# Altium PCB PCB1.PcbDoc (part 2 of 2)
Units mil, origin at the board's own origin, x right, y up, seen from the top; angles counter-clockwise.
Board outline 7710.03 x 3391.11 mil, 4 copper layers (Top Layer, POWER, GND, Bottom Layer), stack 30.634 mil thick; 124 components, 110 nets, 578 pads, 103 vias.
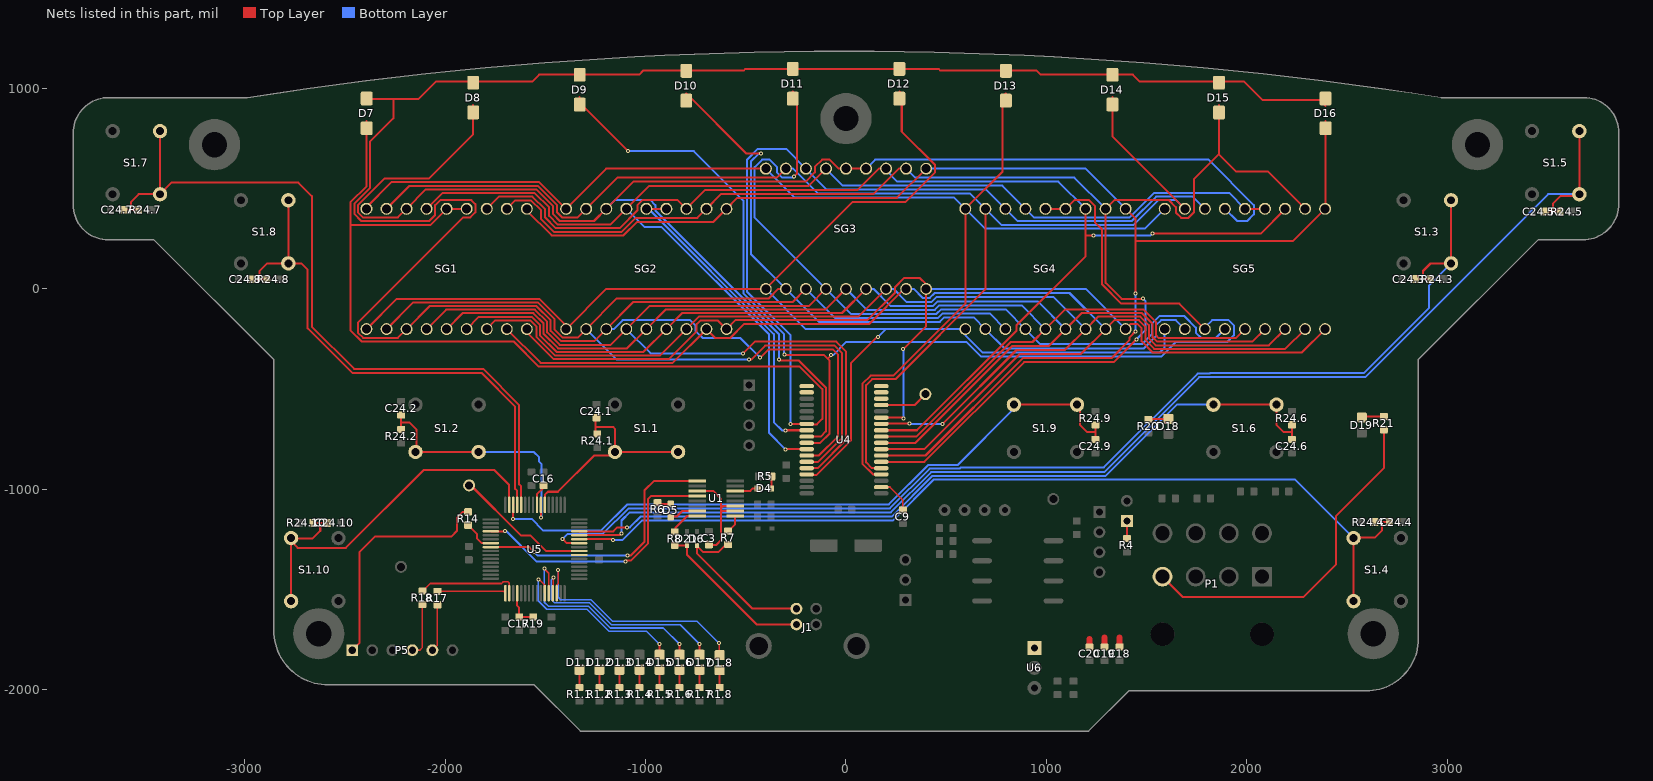
[diagram p4: the nets of this part, all layers, seen from the top]

## Via types
v1: diameter 20, hole 10, Top Layer to Bottom Layer, 103 vias

## Nets (pads, with @x,y where several pads share a name; then routed paths per layer and width w, separated by ;. In a path a pad name is that pad's centre, name@x,y a point inside that pad or via, vN(x,y) a via of type N, cw(c..) or ccw(c..) an arc to the next point about the centre after c; other vN are vias at no path point) (continued)
LED5: D1.5.K U5.27 | length 939
  Top Layer w8: v1(-1535,-1449) -1530.02,-1449 -1504.04,-1474.98 -1504.04,-1516.06 U5.27@-1502.26,-1517.83
  Top Layer w10: D1.5.K@-930,-1824.5 v1(-930,-1772)
  Bottom Layer w8: v1(-1535,-1449) -1535,-1555.49 -1492.49,-1598 -1291.75,-1598 -1182.75,-1707 -995,-1707 v1(-930,-1772)
LED6: D1.6.K U5.28 | length 1114.1
  Top Layer w8: v1(-1505,-1395) -1482.57,-1417.43 U5.28@-1482.57,-1517.83
  Top Layer w10: D1.6.K@-830,-1824.5 v1(-830,-1772)
  Bottom Layer w8: v1(-1505,-1395) -1505,-1562.86 -1485.86,-1582 -1285.12,-1582 -1176.12,-1691 -911,-1691 v1(-830,-1772)
LED7: D1.7.K U5.29 | length 1078.7
  Top Layer w8: U5.29@-1462.89,-1517.83 -1461.11,-1516.06 -1461.11,-1443.11 v1(-1458,-1440)
  Top Layer w10: D1.7.K@-730,-1824.5 v1(-730,-1772)
  Bottom Layer w8: v1(-1458,-1440) -1470,-1452 -1470,-1549 -1453,-1566 -1278.49,-1566 -1169.49,-1675 -827,-1675 v1(-730,-1772)
LED8: D1.8.K U5.30 | length 1215.4
  Top Layer w8: U5.30@-1443.2,-1517.83 -1441.43,-1516.06 -1441.43,-1474.98 -1436,-1469.56 v1(-1436,-1401) ; v1(-633,-1767) -633,-1823.5 D1.8.K@-630,-1826.5
  Bottom Layer w8: v1(-1436,-1401) -1436,-1538 -1424,-1550 -1271.86,-1550 -1164.86,-1657 -743,-1657 v1(-633,-1767)
MCLR: P5.1 R14.2 | length 1168
  Top Layer w10: P5.1@-2463,-1802 -2426,-1765 -2426,-1311 -2350,-1235 -2020,-1235 -1970,-1235 -1940,-1205 -1940,-1140 -1911.54,-1111.54 R14.2@-1885,-1111.54
NetC3_1: C3.1 U1.3 U1.10 U1.11 | length 561.3
  Top Layer w10: U1.3@-741.95,-1007.5 -662.5,-1007.5 -624,-1046 -624,-1095 ; C3.1@-683.95,-1275.96 -645.96,-1275.96 -624,-1254 -624,-1115 ; U1.10@-552.98,-1107.5 -616.5,-1107.5 -624,-1115 ; U1.11@-552.98,-1082.5 -611.5,-1082.5 -624,-1095 ; -624,-1115 -624,-1095
NetC16_2: C16.2 U5.56 | length 110
  Top Layer w10: U5.56@-1541.63,-1076.89 -1541.63,-1024.63 -1508.01,-991.01 C16.2@-1508.01,-980.83
NetC17_2: C17.2 R19.1 U5.20 | length 192.9
  Top Layer w10: U5.20@-1640.06,-1517.83 -1640.06,-1579.94 -1630,-1590 C17.2@-1630,-1636.54 R19.1@-1560,-1636.54
NetD1.1_A: D1.1.A R1.1.1 | length 89
  Top Layer w10: R1.1.1@-1330,-1988.54 D1.1.A@-1330,-1899.5
NetD1.2_A: D1.2.A R1.2.1 | length 89
  Top Layer w10: R1.2.1@-1230,-1988.54 D1.2.A@-1230,-1899.5
NetD1.3_A: D1.3.A R1.3.1 | length 89
  Top Layer w10: R1.3.1@-1130,-1988.54 D1.3.A@-1130,-1899.5
NetD1.4_A: D1.4.A R1.4.1 | length 89
  Top Layer w10: R1.4.1@-1030,-1988.54 D1.4.A@-1030,-1899.5
NetD1.5_A: D1.5.A R1.5.1 | length 89
  Top Layer w10: R1.5.1@-930,-1988.54 D1.5.A@-930,-1899.5
NetD1.6_A: D1.6.A R1.6.1 | length 89
  Top Layer w10: R1.6.1@-830,-1988.54 D1.6.A@-830,-1899.5
NetD1.7_A: D1.7.A R1.7.1 | length 89
  Top Layer w10: R1.7.1@-730,-1988.54 D1.7.A@-730,-1899.5
NetD1.8_A: D1.8.A R1.8.1 | length 87
  Top Layer w10: R1.8.1@-630,-1988.54 D1.8.A@-630,-1901.5
NetD4_A: D4.A R5.1 | length 61.4
  Top Layer w10: D4.A@-374,-995 -370.54,-991.54 R5.1@-370.54,-935
NetD4_K: D4.K U1.14 | length 117.2
  Top Layer w10: U1.14@-552.98,-1007.5 -477.5,-1007.5 -465,-995 D4.K@-440.93,-995
NetD5_A: D5.A R6.1 | length 68.1
  Top Layer w10: R6.1@-940,-1066.54 -935,-1071.54 D5.A@-874,-1071.54
NetD5_K: D5.K U1.7 | length 144.9
  Top Layer w10: D5.K@-874,-1138.46 -870.54,-1135 -844,-1135 -816.5,-1107.5 U1.7@-741.95,-1107.5
NetD18_A: D18.A R20.1 | length 101.7
  Top Layer w10: R20.1@1508,-651.54 1512.04,-647.5 D18.A@1608,-647.5
NetD19_A: D19.A R21.1 | length 112.5
  Top Layer w10: D19.A@2573,-641.5 2578.96,-635.54 R21.1@2683,-635.54
NetJP1_1: JP1.1 R4.1 | length 88.5
  Top Layer w10: R4.1@1401,-1245.54 JP1.1@1401,-1157
NetR7_1: R7.1 U1.9 | length 90
  Top Layer w10: R7.1@-587.95,-1208.04 -552.98,-1173.06 U1.9@-552.98,-1132.5
NetR8_1: R8.1 U1.8 | length 156.5
  Top Layer w10: R8.1@-850.54,-1215 -850.54,-1191.54 -791.5,-1132.5 U1.8@-741.95,-1132.5
NetR14_1: R14.1 U5.7 | length 163.2
  Top Layer w10: R14.1@-1885,-1178.46 -1840,-1223.46 -1840,-1244.63 -1840.37,-1245 -1817.54,-1267.83 U5.7@-1771.94,-1267.83
NetR17_2: R17.2 U5.17 | length 342.7
  Top Layer w8: R17.2@-2038,-1508.54 -1708.41,-1508.54 U5.17@-1699.11,-1517.83
NetR18_2: R18.2 U5.18 | length 505.8
  Top Layer w8: R18.2@-2113,-1507.54 -2074.46,-1469 -1718,-1469 -1710,-1461 -1686,-1461 -1679.43,-1467.57 U5.18@-1679.43,-1517.83
NetTP4_1: TP4.1 U5.40 | length 682
  Top Layer w10: TP4.1@-1875.5,-975.5 -1621,-1230 -1573,-1230 -1495.48,-1307.52 U5.40@-1331,-1307.52
O0: D7.A SG1.13 SG1.14 SG3.16 SG4.16 SG5.16 U4.7 | length 8426.2
  Top Layer w10: -2391.73,838.48 -2391.73,512.27 -2472,432 -2472,319 ; SG1.13@-1892,400 SG1.14@-1992,400 -2072,320 -2471,320 -2472,319 ; v1(-276,-674) -275.26,-673.26 U4.7@-196.02,-673.26 -194.28,-675 -145,-675 -118,-648 -118,-500 -231,-387 -1533.28,-387 -1658.28,-262 -2415.6,-262 -2472,-205.6 -2472,319
  Bottom Layer w10: v1(-276,-674) -276,-231 -494,-13 -494,645.28 -440.78,698.5 -298.5,698.5 SG3.16@-200,600 -95.47,495.47 699.53,495.47 SG4.16@795,400 857,338 1424.26,338 1547.26,461 1729,461 SG5.16@1790,400
O1: SG2.13 SG2.14 U4.8 | length 1640.7
  Top Layer w10: SG2.14@-996,400 SG2.13@-896,400 ; v1(-301,-706) -299.76,-704.76 U4.8@-196.02,-704.76
  Bottom Layer w10: SG2.14@-996,400 -985.1,400 -360,-225.1 -360,-664 -318,-706 v1(-301,-706) ; SG2.13@-896,375 SG2.13@-896,400
O2: D8.A SG1.16 SG2.16 SG3.13 SG3.14 SG5.15 U4.9 | length 7954.2
  Top Layer w10: -1860.24,917.22 -1860.24,771.76 -2081.47,550.53 -2302.28,550.53 -2435,417.81 -2435,382.19 -2409.81,357 -2235,357 SG1.16@-2192,400 -2095.47,496.53 -1545.44,496.53 -1461,412.09 -1461,373.08 -1426.92,339 -1257,339 SG2.16@-1196,400 -1061,535 -201.36,535 -155,581.36 -155,608.64 -118.64,645 -81.36,645 -36.36,600 SG3.14@0,600 SG3.13@100,600 ; v1(-335,-352) -335,-355.72 -333.72,-357 -234.46,-357 -100,-491.46 -100,-710.58 -125.67,-736.25 U4.9@-196.02,-736.25
  Bottom Layer w10: SG2.16@-1196,400 -1151,445 -977.36,445 -951,418.64 -951,391.36 -335,-224.64 v1(-335,-352) ; SG3.13@100,600 145,645 1808.64,645 2035,418.64 2035,372 2002,339 1951,339 SG5.15@1890,400
O3: D9.A SG4.13 SG4.14 SG5.3 U4.10 | length 6287.2
  Top Layer w10: -1328.74,956.59 -1328.74,929.74 v1(-1087,688) ; v1(-308,-328) -307.28,-328.72 -110.72,-328.72 -92,-347.43 ; U4.10@-196.02,-767.75 -128.88,-767.75 -82,-720.86 -82,-357.43 -92,-347.43 ; v1@-74.28,-329.72 -92,-347.43 ; SG4.14@995,400 SG4.13@1095,400 1140,445 1142,443 1212.81,443 1243,412.81 1243,331 1277,297 1277,23.54 1373.54,-73 1663,-73 SG5.3@1790,-200
  Bottom Layer w10: v1(-1087,688) -759,688 -512,441 -512,-22 -309,-225 v1@-309,-328 ; v1(-74,-330) -64,-330 2,-264 600.72,-264 674.72,-338 1572.28,-338 1645.76,-264.53 1901.47,-264.53 1934.53,-231.47 1934.53,-181.56 1908.44,-155.47 1826.53,-155.47 1790,-192 SG5.3@1790,-200
O4: SG1.15 SG2.15 SG3.15 SG4.15 SG5.13 SG5.14 U4.11 | length 6294.3
  Top Layer w10: SG1.15@-2092,400 -2092,400.46 -2013.93,478.53 -1552.89,478.53 -1481,406.63 -1481,364.79 -1437.21,321 -1175,321 SG2.15@-1096,400 -982,514 -186,514 SG3.15@-100,600 ; v1(-302,-800) -301.24,-799.24 U4.11@-196.02,-799.24 ; SG5.14@1990,400 SG5.13@2090,400
  Bottom Layer w10: SG2.15@-1096,400 -1006,310 -920.55,310 -384,-226.55 -384,-718 v1(-302,-800) ; SG3.15@-104,597 SG3.15@-101,600 ; SG3.15@-100,600 -15.47,515.47 779.53,515.47 SG4.15@895,400 939,356 1413.97,356 1536.97,479 1911,479 SG5.14@1990,400
O5: D7.K D8.K D9.K D10.K D11.K D12.K D13.K D14.K D15.K D16.K SG1.3 SG2.3 SG3.3 SG4.3 U4.12 | length 12695.8
  Top Layer w10: D7.K@-2391.73,947 -2258,947 ; v1(-428,-343) -386,-301 -67,-301 -39,-329 -39,-734.43 -135.31,-830.74 U4.12@-196.02,-830.74 ; SG3.3@-200,0 -265,-65 -1061,-65 SG2.3@-1196,-200 -1256.53,-260.53 -1421.07,-260.53 -1473,-208.6 -1473,-157.03 -1545.03,-85 -2077,-85 SG1.3@-2192,-200 -2236,-244 -2408.14,-244 -2434.53,-217.62 -2434.53,-167.53 -1910,357 -1874.19,357 -1849,382.19 -1849,422.68 -1869.32,443 -2024,443 -2049,418 -2049,369 -2079,339 -2417.27,339 -2453,374.73 -2453,425.54 -2373.73,504.81 -2373.73,735.81 -2258,851.54 -2258,947 ; 2391.73,913.48 2362.22,943 2077,943 1986,1034 1466,1034 1431,1069 971,1069 950,1090 470,1090 463,1097 -503,1097 -510,1090 -1010,1090 -1031,1069 -1531,1069 -1566,1034 -2046,1034 -2133,947 -2258,947
  Bottom Layer w10: SG2.3@-1196,-200 -1158.97,-200 -1114.44,-155.47 -777.56,-155.47 -751.47,-181.56 -751.47,-207.5 -714.44,-244.53 -526.47,-244.53 v1(-428,-343) ; SG3.3@-200,0 -55.47,-144.53 459.86,-144.53 482.39,-122 717,-122 SG4.3@795,-200
O6: D10.A SG1.2 SG2.2 SG3.2 SG4.2 SG5.2 U4.13 | length 7796.8
  Top Layer w10: SG1.2@-2292,-200 -2159,-67 -1537.58,-67 -1455,-149.58 -1455,-201.14 -1413.62,-242.53 -1338.53,-242.53 SG2.2@-1296,-200 -1143,-47 -384.03,-47 -337.03,0 SG3.2@-300,0 ; -797.24,976.28 -496.46,675.5 v1(-424.5,675.5) ; v1(-483,-352) -472.36,-352 -403.36,-283 -56.72,-283 -19,-320.72 -19,-742.72 -138.52,-862.24 U4.13@-196.02,-862.24
  Bottom Layer w10: SG2.2@-1296,-200 -1144,-352 v1(-483,-352) ; v1(-424.5,675.5) -435.5,675.5 -474,637 -474,174 SG3.2@-300,0 -135.47,-164.53 468.15,-164.53 490.68,-142 637,-142 SG4.2@695,-200 793,-298 1484,-298 1545.47,-236.53 1545.47,-181.56 1571.56,-155.47 1645.47,-155.47 SG5.2@1690,-200
O7: D11.A SG1.4 SG2.4 SG3.4 SG4.4 SG5.4 U4.14 | length 7890.3
  Top Layer w10: SG1.4@-2092,-200 -1995,-103 -1552.49,-103 -1491,-164.49 -1491,-216.05 -1428.53,-278.53 -1174.53,-278.53 SG2.4@-1096,-200 -980,-84 -184,-84 SG3.4@-100,0 ; v1(-513,-321) -455,-263 -48.43,-263 1,-312.43 1,-751 -141.73,-893.73 U4.14@-196.02,-893.73 ; -265.75,986.12 -245,965.37 -245,574 -259,560 v1(-260,560)
  Bottom Layer w10: SG2.4@-1096,-200 -975,-321 v1(-513,-321) ; v1(-260,560) -265,555 -318.64,555 -345,581.36 -345,608.64 -381.36,645 -418.64,645 -456,607.64 -456,356 SG3.4@-100,0 24.53,-124.53 451.58,-124.53 474.11,-102 797,-102 SG4.4@895,-200 970,-275 1476.47,-275 1525.47,-226 1525.47,-173.27 1563.27,-135.47 1688.44,-135.47 1745.47,-192.5 1745.47,-218.44 1771.56,-244.53 1845.47,-244.53 SG5.4@1890,-200
O8: D12.A SG1.1 SG2.1 SG3.1 SG4.1 SG5.1 U4.15 | length 6943.1
  Top Layer w10: SG1.1@-2392,-200 -2241,-49 -1530.12,-49 -1396,-183.12 SG2.1@-1396,-200 -1196,0 SG3.1@-400,0 34,434 296.97,434 444.53,581.56 444.53,618.44 278.09,784.88 278.09,973.78 265.75,986.12 ; U4.15@-196.02,-925.23 -196.02,-926.98 -146.69,-926.98 24,-756.28 24,-370 155,-239 v1(160,-239) v1@160,-236
  Bottom Layer w10: SG3.1@-400,0 -200,-200 199,-200 ; v1(160,-239) 199,-200 ; SG5.1@1590,-200 1590,-292 1564,-318 683,-318 595,-230 SG4.1@595,-200 199,-200
O9: D13.A SG1.18 SG2.18 SG3.18 SG4.18 SG5.18 U4.22 | length 6677.1
  Top Layer w10: SG1.18@-2392,400 -2392,408 -2267.47,532.53 -1530.53,532.53 -1408.15,410.15 -1408.15,400 SG2.18@-1396,400 -1196,600 SG3.18@-400,600 ; U4.22@176.02,-925.23 134.77,-925.23 82,-872.46 82,-472.54 122.54,-432 236.72,-432 595,-73.72 SG4.18@595,400 781,586 781,960.04 797.24,976.28
  Bottom Layer w10: SG3.18@-400,600 -255.47,455.47 539.53,455.47 SG4.18@595,400 693,302 1492,302 SG5.18@1590,400
O10: D14.A SG1.17 SG2.17 SG3.17 SG4.17 SG5.17 U4.23 | length 6775.4
  Top Layer w10: SG1.17@-2292,400 -2177.47,514.53 -1537.98,514.53 -1441,417.54 -1441,381.36 -1416.64,357 -1339,357 SG2.17@-1296,400 -1141,555 -345,555 SG3.17@-300,600 ; U4.23@176.02,-893.73 128.73,-893.73 100,-865 100,-480 130,-450 247,-450 695,-2 SG4.17@695,400 ; 1328.74,956.59 1328.74,761.26 SG5.17@1690,400
  Bottom Layer w10: SG3.17@-300,600 -263.64,600 -139.11,475.47 619.53,475.47 SG4.17@695,400 775,320 1434.54,320 1557.54,443 1647,443 SG5.17@1690,400
O11: D15.A SG1.11 SG2.11 SG3.11 SG4.11 SG5.11 U4.24 | length 7339.7
  Top Layer w10: SG1.11@-1692,400 -1649.47,442.53 -1571.56,442.53 -1521,391.97 -1521,348.22 -1457.78,285 -1119.08,285 -1049.08,355 -741,355 SG2.11@-696,400 -622,474 137.64,474 263.64,600 SG3.11@300,600 ; U4.24@176.02,-862.24 390.5,-862.24 888.21,-364.53 1335.47,-364.53 v1(1448,-252) ; 1376.56,444.53 1413.44,444.53 ; v1@1482,-49 1375,-49 1295,31 SG4.11@1295,400 1340,445 1608.64,445 1645,408.64 1645,381.36 1671.36,355 1708.64,355 1735,381.36 1735,546.5 1860.24,671.74 ; 1860.24,917.22 1860.24,671.74 ; SG5.11@2290,400 2103,587 1944.97,587 1860.24,671.74
  Bottom Layer w10: SG3.11@300,600 344.53,555.47 1139.53,555.47 SG4.11@1295,400 ; v1(1448,-252) 1493,-207 1493,-59 v1(1482,-48)
O12: D16.A SG1.10 SG2.10 SG3.10 SG4.10 SG5.10 U4.25 | length 6884.1
  Top Layer w10: SG1.10@-1592,400 -1592,390.94 -1468.06,267 -1110,267 -1042,335 -661,335 SG2.10@-596,400 -542,454 254,454 SG3.10@400,600 ; U4.25@176.02,-830.74 396.54,-830.74 882.75,-344.53 1324.47,-344.53 1415,-254 1415,-241 v1(1444,-212) ; SG4.10@1395,400 1445,350 v1(1445,-22) ; 1445,239 2229,239 SG5.10@2390,400 2391.73,401.73 2391.73,838.48
  Bottom Layer w10: SG3.10@400,600 1195,600 SG4.10@1395,400 ; v1(1444,-212) 1444,-23 v1(1445,-22)
O13: SG1.8 SG2.8 SG3.8 SG4.8 SG5.8 U4.26 | length 5869.2
  Top Layer w10: SG1.8@-1692,-200 -1523,-369 -865,-369 SG2.8@-696,-200 -651.47,-244.53 -577.56,-244.53 -507.03,-174 117.26,-174 291.26,0 SG3.8@300,0 ; U4.26@176.02,-799.24 391.11,-799.24 865.83,-324.53 1170.47,-324.53 SG4.8@1295,-200 1339,-156 1460.63,-156 1493,-188.37 1493,-254.37 1537.63,-299 2191,-299 SG5.8@2290,-200
  Bottom Layer w10: SG3.8@300,0 337.03,0 381.56,-44.53 418.44,-44.53 442.97,-20 1115,-20 SG4.8@1295,-200
O14: SG1.6 SG2.6 SG3.6 SG4.6 SG5.6 U4.27 | length 5653.2
  Top Layer w10: SG1.6@-1892,-200 -1831,-139 -1567.4,-139 -1527,-179.4 -1527,-230.97 -1443.44,-314.53 -1010.53,-314.53 SG2.6@-896,-200 -816,-120 -20,-120 SG3.6@100,0 ; U4.27@176.02,-767.75 346.79,-767.75 830.01,-284.53 1010.47,-284.53 SG4.6@1095,-200 1175,-120 1475.54,-120 1529,-173.46 1529,-239.46 1552.54,-263 2027,-263 SG5.6@2090,-200
  Bottom Layer w10: SG3.6@100,0 137.03,0 221.56,-84.53 435.01,-84.53 457.54,-62 957,-62 SG4.6@1095,-200
O15: SG1.5 SG2.5 SG3.5 SG4.5 SG5.5 U4.28 | length 5540.2
  Top Layer w10: SG1.5@-1992,-200 -1913,-121 -1559.95,-121 -1509,-171.95 -1509,-223.51 -1435.98,-296.53 -1092.53,-296.53 SG2.5@-996,-200 -898,-102 -102,-102 SG3.5@0,0 ; U4.28@176.02,-736.25 350,-736.25 821.73,-264.53 930.47,-264.53 SG4.5@995,-200 1093,-102 1483,-102 1547,-166 1547,-232 1560,-245 1945,-245 SG5.5@1990,-200
  Bottom Layer w10: SG3.5@0,0 104.53,-104.53 443.3,-104.53 465.82,-82 877,-82 SG4.5@995,-200
O16: SG1.12 SG2.12 SG3.12 SG4.12 SG5.12 U4.29 | length 6048
  Top Layer w10: SG1.12@-1792,400 -1731.47,460.53 -1564.1,460.53 -1501,397.43 -1501,356.51 -1447.49,303 -1129.36,303 -1041,391.36 -1041,418.64 -1014.64,445 -841,445 SG2.12@-796,400 -702,494 57.64,494 163.64,600 SG3.12@200,600 ; U4.29@176.02,-704.76 353.22,-704.76 850.47,-207.5 850.47,-181.56 1195,162.97 1195,268 ; SG4.12@1195,400 1195,268 ; v1(1234,267) 1196,267 1195,268 ; v1(1529,276) 2069,276 2190,397 SG5.12@2190,400
  Bottom Layer w10: SG3.12@200,600 200,592 256.53,535.47 1059.53,535.47 SG4.12@1195,400 ; v1(1234,267) 1520,267 v1(1529,276)
O17: SG1.7 SG2.7 SG3.7 SG4.7 SG5.7 U4.30 | length 5735.6
  Top Layer w10: SG1.7@-1778,-186 SG1.7@-1792,-200 -1749,-157 -1574.86,-157 -1545,-186.86 -1545,-238.42 -1450.89,-332.53 -928.53,-332.53 SG2.7@-796,-200 -734,-138 62,-138 SG3.7@200,0 ; U4.30@176.02,-673.26 177.28,-672 v1(316,-672) ; v1(482,-673) 850.47,-304.53 1090.47,-304.53 SG4.7@1195,-200 1257,-138 1468.09,-138 1511,-180.91 1511,-246.91 1545.09,-281 2109,-281 SG5.7@2190,-200
  Bottom Layer w10: SG3.7@200,0 237.03,0 301.56,-64.53 426.73,-64.53 450.26,-41 1036,-41 SG4.7@1195,-200 ; v1(316,-672) 317,-673 v1(482,-673)
O18: SG1.9 SG2.9 SG3.9 SG4.9 SG5.9 U4.31 | length 5376.1
  Top Layer w10: SG1.9@-1592,-200 -1592,-216.88 -1458.35,-350.53 -883.56,-350.53 -745,-211.97 -745,-176 -726.47,-157.47 -638.53,-157.47 SG2.9@-596,-200 -552,-156 106.97,-156 244.53,-18.44 244.53,9.53 289,54 369,54 400,23 SG3.9@400,0 400,-185 v1(285,-300) ; U4.31@176.02,-641.76 283.76,-641.76 v1(287,-645) ; SG4.9@1395,-200 1421,-174 1453.18,-174 1475,-195.82 1475,-261.82 1530.18,-317 2273,-317 SG5.9@2390,-200
  Bottom Layer w10: v1(285,-300) 287,-302 v1(287,-645) ; SG3.9@400,0 1195,0 SG4.9@1395,-200
OSC: U5.39
OSC_LD: C9.2 U4.20 | length 183.8
  Top Layer w8: 218.31,-988.22 284,-1053.91 C9.2@284,-1102.54
  Top Layer w10: U4.20@176.02,-988.22 218.31,-988.22
OSC_OUT: TP5.1 U4.33 | length 242.2
  Top Layer w10: U4.33@176.02,-578.77 342.23,-578.77 TP5.1@396,-525
OUT3: C24.1.2 R24.1.2 S1.1.1 U5.54 | length 1104.9
  Top Layer w10: U5.54@-1502.26,-1076.89 -1502.26,-1027.26 -1486.54,-1011.54 -1437.54,-1011.54 -1257,-831 -1170.37,-831 S1.1.1@-1152.48,-813.11 ; C24.1.2@-1250,-642.46 -1250,-688 ; R24.1.2@-1241,-723.54 -1250,-714.54 -1250,-688 ; S1.1.1@-837.52,-813.11 S1.1.1@-1152.48,-813.11 ; -1250,-688 -1161.96,-688 -1152.48,-697.48 S1.1.1@-1152.48,-813.11
OUT4: C24.2.2 R24.2.2 S1.2.1 U5.55 | length 1269.5
  Top Layer w10: R24.2.2@-2219,-701.54 C24.2.2@-2219,-628.46 ; -2219,-665 -2179,-665 -2141.48,-702.52 S1.2.1@-2141.48,-808.11 ; S1.2.1@-2147.48,-813.11 S1.2.1@-1832.52,-813.11 ; v1(-1522,-1140) -1521.94,-1139.94 U5.55@-1521.94,-1076.89
  Bottom Layer w10: S1.2.1@-1832.52,-813.11 -1557.89,-813.11 -1531.01,-839.99 -1531.01,-861.53 -1518.01,-874.53 -1518.01,-1136.01 v1(-1522,-1140)
OUT5: C24.3.2 R24.3.2 S1.3.1 U5.42 | length 5746.5
  Top Layer w10: v1(-1414,-1247) -1393.48,-1267.52 U5.42@-1331,-1267.52 ; C24.3.2@2841.57,49.52 2878.11,49.52 ; R24.3.2@2914.65,49.52 2878.11,49.52 ; S1.3.1@3018.11,442.48 3018.11,130.15 3021.22,127.04 2915.63,127.04 2878.11,89.52 2878.11,49.52
  Bottom Layer w10: v1(-1414,-1247) -1389,-1222 -1212.46,-1222 -1084.46,-1094 218.72,-1094 416.72,-896 566.72,-896 572.72,-890 1286.09,-890 1754.09,-422 1813.72,-422 1815.72,-420 2581.72,-420 2909,-92.72 2909,18.41 S1.3.1@3018.11,127.52
OUT6: C24.4.2 R24.4.2 S1.4.1 U5.43 | length 4690.6
  Top Layer w10: U5.43@-1322.24,-1248 -1167,-1248 v1(-1162,-1253) ; S1.4.1@2531.78,-1240.04 2637.37,-1240.04 2674.89,-1202.52 2674.89,-1162.52 ; S1.4.1@2531.89,-1557.48 S1.4.1@2531.89,-1242.52 ; R24.4.2@2638.35,-1162.52 C24.4.2@2711.43,-1162.52
  Bottom Layer w10: v1@-1162,-1252 v1(-1162,-1253) -1116,-1253 -1017,-1154 235.09,-1154 439.09,-950 2239.37,-950 S1.4.1@2531.89,-1242.52
OUT7: C24.5.2 R24.5.2 S1.5.1 U5.44 | length 6317.9
  Top Layer w10: U5.44@-1331,-1228.46 -1330.54,-1228 -1129,-1228 v1(-1120,-1219) ; C24.5.2@3489.35,385.52 3525.89,385.52 ; R24.5.2@3562.43,385.52 3525.89,385.52 ; S1.5.1@3658.11,472.52 S1.5.1@3658.11,787.48 ; S1.5.1@3669,463.04 3563.41,463.04 3525.89,425.52 3525.89,385.52
  Bottom Layer w10: v1(-1120,-1219) -1120,-1155 -1079,-1114 224.18,-1114 424.18,-914 1287.54,-914 1761.54,-440 2590,-440 3502.52,472.52 S1.5.1@3658.11,472.52
OUT8: C24.6.2 R24.6.2 S1.6.1 U5.45 | length 4006
  Top Layer w10: U5.45@-1331,-1208.78 -1160,-1208.78 -1140.61,-1189.39 v1(-1093,-1189.39) ; S1.6.1@1832.52,-576.89 S1.6.1@2147,-576.89 ; S1.6.1@2147.48,-576.89 S1.6.1@2147,-576.89 ; C24.6.2@2224.52,-750.65 R24.6.2@2224.52,-677.57 ; 2224.52,-714.11 2184.52,-714.11 2147,-676.59 S1.6.1@2147,-576.89
  Bottom Layer w10: v1(-1093,-1189.39) -1077.85,-1189.39 -1022.46,-1134 229.63,-1134 431.63,-932 1295,-932 1650.11,-576.89 S1.6.1@1832.52,-576.89
OUT9: C24.7.2 R24.7.2 S1.7.1 U5.60 | length 3745
  Top Layer w10: C24.7.2@-3602.54,395 R24.7.2@-3529.46,395 ; -3566,395 -3566,435 -3528.48,472.52 -3422.89,472.52 S1.7.1@-3421.89,473.52 ; S1.7.1@-3421.89,787.48 S1.7.1@-3421.89,473.52 ; U5.60@-1620.37,-1076.89 -1620.37,-984.63 -1630,-975 -1630,-579 -1810,-399 -2454,-399 -2665,-188 -2665,463 -2732,530 -3365.41,530 S1.7.1@-3421.89,473.52
OUT10: C24.8.2 R24.8.2 S1.8.1 U5.61 | length 2681.6
  Top Layer w10: C24.8.2@-2962.65,48.48 R24.8.2@-2889.57,48.48 ; -2926.11,48.48 -2926.11,88.48 -2888.59,126 -2783,126 -2781.89,127.11 S1.8.1@-2781.89,127.52 ; S1.8.1@-2781.89,442.48 S1.8.1@-2781.89,127.52 ; U5.61@-1640.06,-1076.89 -1640.06,-1006.94 -1650.28,-996.72 -1650.28,-587 -1818.28,-419 -2462.28,-419 -2685,-196.28 -2685,96 -2716.52,127.52 S1.8.1@-2781.89,127.52
OUT11: C24.9.2 R24.9.2 S1.9.1 U5.62 | length 3449.5
  Top Layer w10: v1(-1660,-1147) -1660,-1077.15 U5.62@-1659.74,-1076.89 ; S1.9.1@837.52,-576.89 S1.9.1@1152.48,-576.89 ; S1.9.1@1166.48,-571.43 1166.48,-677.02 1204,-714.54 1244,-714.54 ; C24.9.2@1244,-751.07 R24.9.2@1244,-678
  Bottom Layer w10: v1(-1660,-1147) -1568.64,-1147 -1511.64,-1204 -1219.91,-1204 -1089.91,-1074 213.27,-1074 409.27,-878 556.43,-878 837.52,-596.91 S1.9.1@837.52,-576.89
OUT12: C24.10.2 R24.10.2 S1.10.1 U5.63 | length 1982.5
  Top Layer w10: S1.10.1@-2768.11,-1557.48 S1.10.1@-2768.11,-1258.89 ; S1.10.1@-2768.11,-1242.52 S1.10.1@-2768.11,-1246.58 ; R24.10.2@-2659.16,-1166.69 -2622.62,-1166.69 ; C24.10.2@-2586.09,-1166.69 -2622.62,-1166.69 ; U5.63@-1680,-1076.89 -1680,-978 -1755,-903 -2106,-903 -2494.43,-1291.43 -2735.57,-1291.43 S1.10.1@-2768.11,-1258.89 ; S1.10.1@-2768.11,-1258.89 S1.10.1@-2768.11,-1246.58 ; S1.10.1@-2768.11,-1246.58 -2765.73,-1244.2 -2660.14,-1244.2 -2622.62,-1206.69 -2622.62,-1166.69
P0: U4.1
P1: U4.2
P2: U4.34
P3: U4.35
P4: U4.36
PGEC: P5.5 R17.1 | length 236.9
  Top Layer w8: P5.5@-2063,-1802 -2038,-1777 R17.1@-2038,-1575.46
PGED: P5.4 R18.1 | length 269.9
  Top Layer w8: P5.4@-2163,-1802 -2126,-1802 -2113,-1789 R18.1@-2113,-1574.46
UART_RXD: U1.4 U5.4 | length 1361.6
  Top Layer w10: U5.4@-1771.94,-1208.78 -1701.78,-1208.78 v1(-1700,-1207) ; v1(-1100,-1360) -1100,-1355.36 -1099.64,-1355 -1074.54,-1355 -987,-1267.46 -987,-1047 -972.5,-1032.5 U1.4@-741.95,-1032.5
  Bottom Layer w10: v1(-1700,-1207) -1696,-1207 -1543,-1360 v1(-1100,-1360)
UART_TXD: U1.1 U5.8 | length 1342.7
  Top Layer w10: U5.8@-1763.35,-1287.52 -1579.48,-1287.52 v1(-1554,-1313) ; v1(-1090,-1330) -1075,-1330 -1005,-1260 -1005,-1005 -957.5,-957.5 U1.1@-741.95,-957.5
  Bottom Layer w10: v1(-1554,-1313) -1537,-1330 v1(-1090,-1330)
USB_D+: D21.K J1.3 R8.2 | length 796.1
  Top Layer w10: R8.2@-854,-1278.46 -852.03,-1280.43 D21.K@-794,-1280.43 -794,-1324.45 -444.71,-1673.74 J1.3@-247.43,-1673.74
USB_D-: D6.K J1.2 R7.2 | length 833.4
  Top Layer w10: R7.2@-587.95,-1274.96 -599.42,-1274.96 -636.95,-1312.5 -711.93,-1312.5 D6.K@-744,-1280.43 -744,-1317.45 -466.45,-1595 J1.2@-247.43,-1595
VBAT: C18.2 C19.2 C20.2 P1.4 R21.2 U6.1 | length 1895.3
  Top Layer w10: 1214,-1744 1215,-1745 ; 1290,-1738 1292,-1736 ; 1365,-1738 1370,-1733 ; P1.4@1578.94,-1435 1680.94,-1537 2281,-1537 2445,-1373 2445,-1132 2683,-894 R21.2@2683,-702.46
  Top Layer w30: C20.2@1215,-1786.54 1215,-1745 ; C19.2@1290,-1786.54 1290,-1738 ; C18.2@1365,-1786.54 1365,-1738
pads on no net: C1.0 C2.0 C3.0 C4.0 C5.0 C6.0 C7.0 C8.0 C9.0 C10.0 C11.0 C12.0 C13.0 C14.0 C16.0 C17.0 C18.0 C19.0 C20.0 C21.0 C22.0 C24.1.0 C24.2.0 C24.3.0 C24.4.0 C24.5.0 C24.6.0 C24.7.0 C24.8.0 C24.9.0 C24.10.0 C25.1.0 C25.2.0 D1.1.0 D1.2.0 D1.3.0 D1.4.0 D1.5.0 D1.6.0 D1.7.0 D1.8.0 D3.0 D4.0 D5.0 D6.0 D7.0 D8.0 D9.0 D10.0 D11.0 D12.0 D13.0 D14.0 D15.0 D16.0 D18.0 D19.0 D21.0 P1. P5.6 R1.1.0 R1.2.0 R1.3.0 R1.4.0 R1.5.0 R1.6.0 R1.7.0 R1.8.0 R2.1.0 R2.2.0 R4.0 R5.0 R6.0 R7.0 R8.0 R9.0 R10.0 R14.0 R17.0 R18.0 R19.0 R20.0 R21.0 R24.1.0 R24.2.0 R24.3.0 R24.4.0 R24.5.0 R24.6.0 R24.7.0 R24.8.0 R24.9.0 R24.10.0 U1.2 U1.6 U1.15 U1.16 U5.15 U5.16 U5.34 U5.64

## Polygon pours and split planes (outlines as drawn)
VBAT on Top Layer "Top Layer-No Net" (solid, remove dead copper, pour order 8): 865,-1820 890,-1845 895,-1850 1005,-1850 1070,-1850 1090,-1830 1170,-1750 1415,-1750 1675,-1490 1675,-1415 1640,-1380 1355,-1380 1135,-1600 1025,-1600 865,-1760
3V3 on POWER (split plane): 266 vertices, not listed, extent -3834.99,-2184.92 3834.99,1166.1
GND on GND (split plane): 266 vertices, not listed, extent -3834.99,-2184.92 3834.99,1166.1

## Keep-outs
Keep-Out Layer:
  lines w15: 2969.67,955.08 ccw(c-8.17,-18121.97) -2986.44,955.02 -3676.48,955.02 ccw(c-3676.48,776.48) -3855.01,776.48 -3855.01,420.23 ccw(c-3679.77,420.23) -3679.77,244.98 -3452.08,244.98 -2855.02,-352.08 -2855.02,-1702.05 ccw(c-2582.05,-1702.05) -2582.05,-1975.01 -1554.99,-1975.01 -1324.99,-2205.02 1209.98,-2205.02 1410,-2005 2155.03,-2005 2595,-2005 ccw(c2595.74,-1745.73) 2855.02,-1746.47 2855.02,-352.08 3452.08,244.98 3675.68,244.98 ccw(c3675.68,424.32) 3855.01,424.32 3855.02,779.96 ccw(c3679.96,779.96) 3679.96,955.01 2969.89,955.02

## Other copper
POWER (plane layer: these items are gaps in the copper):
  pour cut-out: 642,-1043 642,-1053 667,-1078 667,-1128 632,-1163 627,-1158 557,-1158 527,-1128 527,-1068 552,-1043
  pour cut-out: 985,-1940 985,-1950 1010,-1975 1010,-2025 975,-2060 970,-2055 900,-2055 870,-2025 870,-1965 895,-1940

## Silkscreen, mask and mechanical layers (free items; w line width, h text height)
Top Overlay:
  lines w10: -2272,-1330 -2162,-1330 -2162,-1268 -2272,-1268 -2272,-1330 ; -1950,-925 -1810,-925 -1810,-864 -1950,-864 -1950,-925 ; -1081,-1674 -654.25,-1674 -654.25,-1440 -1069,-1440 -1081,-1440 -1081,-1674 ; 300,-465 532,-465 532,-405 300,-405 300,-465 ; 1463,-865 1463,-510 1670,-510 1670,-865 1463,-865 ; 2523,-859 2728,-859 2728,-504 2523,-504 2523,-859
  text "RGB 2015" at 982.45,635 h60
  text "Volant5 v2" at 849,556 h60
  text "24V" at 2543,-584 h60
  text "3V3" at 1488,-595 h60
  text "Debug0" at -1053,-1457 h35 r270
  text "Debug1" at -1003,-1457 h35 r270
  text "Debug2" at -953,-1457 h35 r270
  text "Debug3" at -903,-1457 h35 r270
  text "Debug4" at -853,-1457 h35 r270
  text "CAN" at -803,-1457 h35 r270
  text "ERROR" at -753,-1457 h35 r270
  text "Status" at -703,-1457 h35 r270
Mechanical 1:
  drawing of 527 lines, arcs and shapes, not listed
  text "Layer" at -2168,6170.31 h60
  text "Name" at -1758.09,6170.31 h60
  text "Material" at -828.34,6170.31 h60
  text "Thickness" at 31.42,6170.31 h60
  text "Constant" at 681.26,6170.31 h60
  text "Board Layer Stack" at 1251.12,6170.31 h60
  text "1" at -2168,6050.31 h60
  text "Top Overlay" at -1758.09,6050.31 h60
  text "2" at -2168,5930.31 h60
  text "Top Solder" at -1758.09,5930.31 h60
  text "Solder Resist" at -828.34,5930.31 h60
  text "0,40mil" at 31.42,5930.31 h60
  text "3,5" at 681.26,5930.31 h60
  text "3" at -2168,5810.31 h60
  text "Top Layer" at -1758.09,5810.31 h60
  text "Copper" at -828.34,5810.31 h60
  text "1,40mil" at 31.42,5810.31 h60
  text "4" at -2168,5690.31 h60
  text "Dielectric 1" at -1758.09,5690.31 h60
  text "FR-4" at -828.34,5690.31 h60
  text "10,00mil" at 31.42,5690.31 h60
  text "4,2" at 681.26,5690.31 h60
  text "5" at -2168,5570.31 h60
  text "POWER" at -1758.09,5570.31 h60
  text "Copper" at -828.34,5570.31 h60
  text "1,42mil" at 31.42,5570.31 h60
  text "6" at -2168,5450.31 h60
  text "Dielectric 3" at -1758.09,5450.31 h60
  text "5,00mil" at 31.42,5450.31 h60
  text "4,2" at 681.26,5450.31 h60
  text "7" at -2168,5330.31 h60
  text "GND" at -1758.09,5330.31 h60
  text "Copper" at -828.34,5330.31 h60
  text "1,42mil" at 31.42,5330.31 h60
  text "8" at -2168,5210.31 h60
  text "Dielectric 2" at -1758.09,5210.31 h60
  text "10,00mil" at 31.42,5210.31 h60
  text "4,2" at 681.26,5210.31 h60
  text "9" at -2168,5090.31 h60
  text "Bottom Layer" at -1758.09,5090.31 h60
  text "Copper" at -828.34,5090.31 h60
  text "1,40mil" at 31.42,5090.31 h60
  text "10" at -2168,4970.31 h60
  text "Bottom Solder" at -1758.09,4970.31 h60
  text "Solder Resist" at -828.34,4970.31 h60
  text "0,40mil" at 31.42,4970.31 h60
  text "3,5" at 681.26,4970.31 h60
  text "11" at -2168,4850.31 h60
  text "Bottom Overlay" at -1758.09,4850.31 h60
Drill Drawing:
  lines w47.24: -1879.08,-1975.48 -1879.08,-1975.01 ; -1324.99,-2205.02 1209.98,-2205.02 ; -1309.45,-2204.55 -1308.99,-2205.02 1209.98,-2205.02 ; -3855.01,420.23 ccw(c-3679.77,420.23) -3679.77,244.98 ; -3855.01,420.23 ccw(c-3679.77,420.23) -3679.77,244.98 ; -3855.01,420.23 -3855.01,776.48 ; -3855.01,420.23 -3855.01,776.48 ; -3855.01,776.48 cw(c-3676.48,776.48) -3676.48,955.02 ; -3855.01,776.48 cw(c-3676.48,776.48) -3676.48,955.02 ; -3679.77,244.98 -3452.08,244.98 ; -3679.77,244.98 -3452.08,244.98 ; -3676.48,955.02 -2986.44,955.02 ; -3676.48,955.02 -2986.44,955.02 ; -3452.08,244.98 -2855.02,-352.08 ; -3452.08,244.98 -2855.02,-352.08 ; -2986.44,955.02 cw(c-8.17,-18121.97) 2969.67,955.08 ; -2986.44,955.02 cw(c-8.17,-18121.97) 2969.67,955.08 ; -2855.02,-1702.05 ccw(c-2582.05,-1702.05) -2582.05,-1975.01 ; -2855.02,-1702.05 ccw(c-2582.05,-1702.05) -2582.05,-1975.01 ; -2855.02,-1702.05 -2855.02,-352.08 ; -2855.02,-1702.05 -2855.02,-352.08 ; -2582.05,-1975.01 -1879.08,-1975.01 ; -2582.05,-1975.01 -1879.08,-1975.01 ; 1209.98,-2205.02 1410,-2005 ; 1209.98,-2205.02 1410,-2005 ; 1410,-2005 2595,-2005 ; 1410,-2005 2595,-2005 ; 2595,-2005 ccw(c2595.74,-1745.73) 2855.02,-1746.47 ; 2595,-2005 ccw(c2595.74,-1745.73) 2855.02,-1746.47 ; 2595,-2005 2595,-2005 ; 2595,-2005 2595,-2005 ; 2855.02,-1746.47 2855.02,-352.08 ; 2855.02,-1746.47 2855.02,-352.08 ; 2855.02,-352.08 3452.08,244.98 ; 2855.02,-352.08 3452.08,244.98 ; 2969.67,955.08 2969.89,955.02 ; 2969.67,955.08 2969.89,955.02 ; 2969.89,955.02 3679.96,955.02 ; 2969.89,955.02 3679.96,955.02 ; 3452.08,244.98 3675.68,244.98 ; 3452.08,244.98 3675.68,244.98 ; 3675.68,244.99 ccw(c3675.68,424.32) 3855.01,424.32 ; 3675.68,244.99 ccw(c3675.68,424.32) 3855.01,424.32 ; 3679.96,955.01 cw(c3679.96,779.96) 3855.01,779.96 ; 3679.96,955.01 cw(c3679.96,779.96) 3855.01,779.96 ; 3855.02,424.32 3855.02,779.96 ; 3855.02,424.32 3855.02,779.96
  text ".Legend" at 6119,2118 h60

## Dimensions
-1324.99,-2205.02 to -8.17,1186.1 on Mechanical 1
-2855.02,-352.08 to 2855.02,-1746.47 on Mechanical 1
-3855.01,776.48 to 3855.02,779.96 on Mechanical 1
0,850 to 3150,720 on Mechanical 1
-3150,720 to 0,850 on Mechanical 1